# Altium PCB PCB_DACard.PcbDoc (part 2 of 2) (continued)
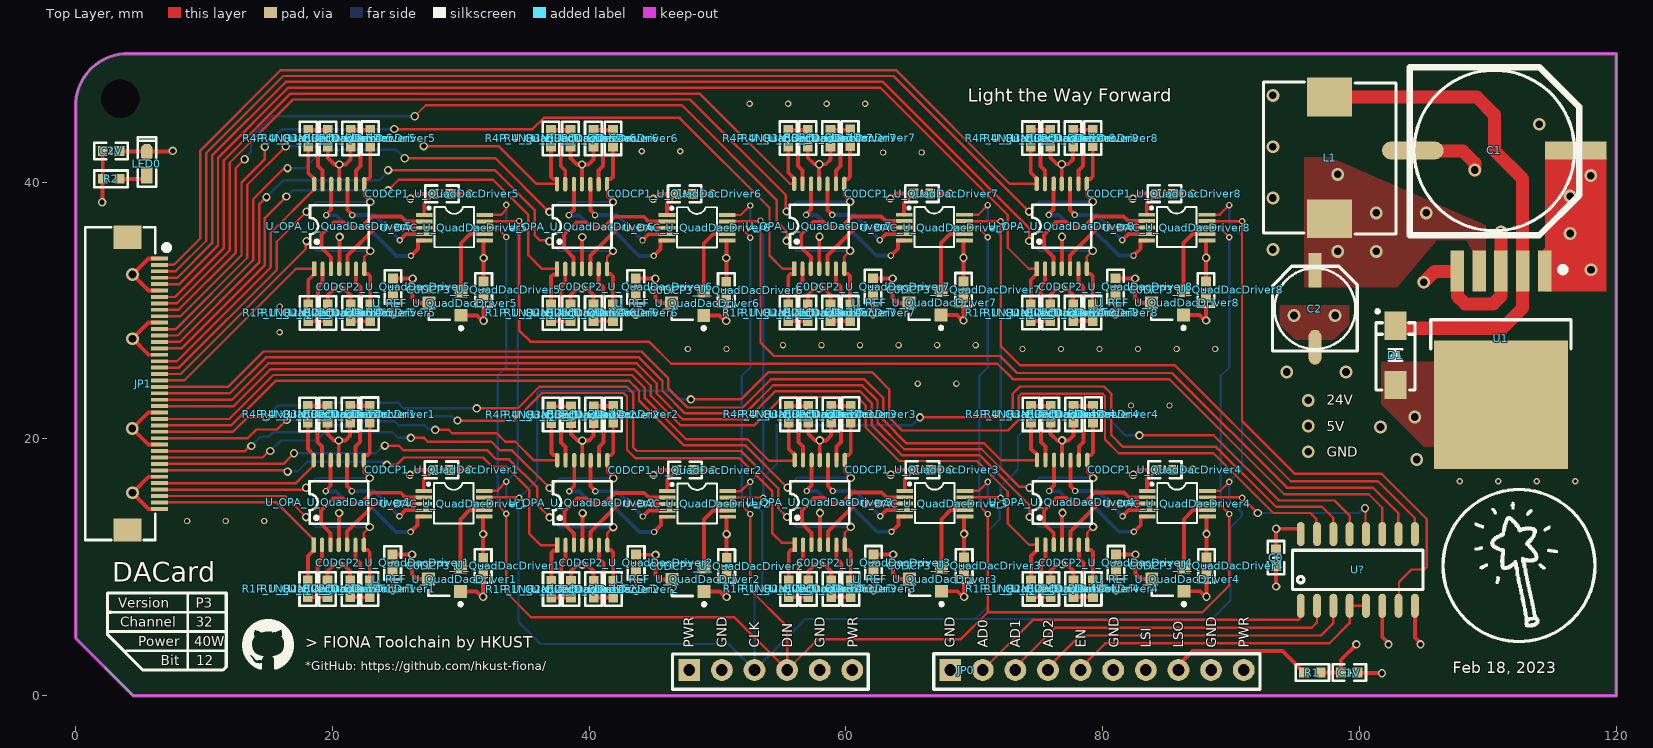
[diagram p0: Top Layer view]
## Nets (pads, with @x,y where several pads share a name; then routed paths per layer and width w, separated by ;. In a path a pad name is that pad's centre, name@x,y a point inside that pad or via, vN(x,y) a via of type N, cw(c..) or ccw(c..) an arc to the next point about the centre after c; other vN are vias at no path point) (continued)
  Top Layer w1.016: C2.2@96.52,26.297 96.528,26.305 C2.2@96.528,27.139 ; v3(105,32.2) 105.843,33.043 ; C1.2@105.498,42.458 105.552,42.404 108.052,42.404 108.974,41.482 v3(108.974,40.934) ; U1.3@107.182,18.822 U1.3@111.006,22.646 ; U1.5@107.606,33.06 U1.5@107.623,33.043 ; v3(111.006,36.108) U1.3@111.006,33.06 111.006,31.115 110.411,30.52 108.218,30.52 107.623,31.115 U1.5@107.623,33.043 ; 105.843,33.043 U1.5@107.623,33.043 ; 105.843,33.043 U1.5@107.623,33.043
  other v2: 8.699,13.603 11.699,13.603 14.699,13.603 107.8,16.7 110.8,16.7 113.8,16.7 116.8,16.7 82.2,22.6 85.2,22.6 65.6,24.3 68.6,24.3 47.7,27 50.7,27 73.75,27 76.75,27 79.75,27 82.75,27 85.75,27 88.75,27 55.1,27.3 58.1,27.3 61.1,27.3 64.1,27.3 67.1,27.3 70.1,27.3 15.9,28.3 15.9,30.3 62.9,42.3 65.9,42.3 44.1,42.4 47.1,42.4 52.5,46.1 55.5,46.1 58.5,46.1 61.5,46.1
  other v3: 104.45,18.4 101.625,20.925 104.3,21.7 94.325,25.2 98.95,25.2 94.9,29.6 98.1,29.6 93.25,34.75 93.25,38.75 93.25,42.75 114,44.5 93.25,46.75
  other v4: 96,19
LED: JP0.14 R1.2 | length 11.3
  Top Layer w0.305: JP0.14@85.9,2 85.9,2.378 86.598,3.076 86.598,3.098 86.975,3.475 94,3.475 R1.2@95.675,1.8
NetD1_2: D1.2 L1.1 U1.2 | length 40
  Top Layer w1.016: L1.1@97.671,46.623 109.127,46.623 110.498,45.252 110.498,42.458 112.706,40.25 U1.2@112.706,33.06 112.706,30.188 111.133,28.615 102.985,28.615 D1.2@102.8,28.8
NetJP0_3: JP0.3 U_DAC_U_QuadDacDriver1.10 U_DAC_U_QuadDacDriver2.10 U_DAC_U_QuadDacDriver3.10 U_DAC_U_QuadDacDriver4.10 U_DAC_U_QuadDacDriver5.10 U_DAC_U_QuadDacDriver6.10 U_DAC_U_QuadDacDriver7.10 U_DAC_U_QuadDacDriver8.10 | length 213.7
  Top Layer w0.186: U_DAC_U_QuadDacDriver1.10@31.827,15.945 32.827,15.945 v2(33.55,16.668) v2@33.55,16.615 ; U_DAC_U_QuadDacDriver5.10@31.864,37.441 33.141,37.441 33.55,37.85 v2(33.55,38.218) ; U_DAC_U_QuadDacDriver6.10@50.764,37.437 51.812,37.437 v2(52.55,38.175) ; U_DAC_U_QuadDacDriver2.10@50.79,15.933 51.833,15.933 v2(52.55,16.65) ; U_DAC_U_QuadDacDriver7.10@69.239,37.458 70.308,37.458 v2(71.05,38.2) ; U_DAC_U_QuadDacDriver3.10@69.282,15.953 70.353,15.953 v2(71.05,16.65) ; U_DAC_U_QuadDacDriver8.10@88.127,37.457 89.107,37.457 v2(89.85,38.2) ; U_DAC_U_QuadDacDriver4.10@88.157,15.953 89.153,15.953 v2(89.85,16.65)
  Bottom Layer w0.186: v2(33.55,38.218) 33.55,36.85 34.45,35.95 34.45,17.568 v2(33.55,16.668) 33.55,15.275 34.5,14.325 34.5,5.75 36.225,4.025 50.855,4.025 JP0.3@52.88,2 ; v2(52.55,38.175) 52.55,36.85 53.55,35.85 53.55,17.65 v2(52.55,16.65) 52.55,15.25 53.5,14.3 53.5,8.649 52.88,8.029 JP0.3@52.88,2 ; 70.15,6.025 71.05,6.925 71.05,12.8 71.975,13.725 71.975,14.35 71.05,15.275 v2(71.05,16.65) 72.05,17.65 72.05,35.85 71.05,36.85 v2(71.05,38.2) ; v2(89.85,38.2) 89.85,36.85 90.85,35.85 90.85,17.65 v2(89.85,16.65) 89.85,15.25 90.825,14.275 90.825,13.975 89.95,13.1 89.95,7.425 88.5,5.975 70.15,5.975 56.855,5.975 JP0.3@52.88,2
NetJP0_4: JP0.4 U_DAC_U_QuadDacDriver1.8 U_DAC_U_QuadDacDriver2.8 U_DAC_U_QuadDacDriver3.8 U_DAC_U_QuadDacDriver4.8 U_DAC_U_QuadDacDriver5.8 U_DAC_U_QuadDacDriver6.8 U_DAC_U_QuadDacDriver7.8 U_DAC_U_QuadDacDriver8.8 | length 198.3
  Top Layer w0.186: U_DAC_U_QuadDacDriver1.8@31.827,14.945 31.829,14.942 32.775,14.942 v2(33.55,14.168) 33.55,8.05 35.502,6.098 51.322,6.098 JP0.4@55.25,2.17 ; U_DAC_U_QuadDacDriver5.8@31.864,36.441 31.866,36.438 32.83,36.438 v2(33.55,35.718) ; U_DAC_U_QuadDacDriver6.8@50.764,36.437 51.813,36.437 52.55,35.7 v2(52.55,35.675) ; U_DAC_U_QuadDacDriver2.8@50.79,14.933 51.767,14.933 v2(52.55,14.15) 52.55,8.25 55.42,5.38 55.42,2.19 55.4,2.17 55.59,2.17 57.803,4.383 68.933,4.383 71.05,6.5 ; JP0.4@55.42,2 JP0.4@55.42,2.17 ; U_DAC_U_QuadDacDriver7.8@69.239,36.458 70.292,36.458 v2(71.05,35.7) ; U_DAC_U_QuadDacDriver3.8@69.282,14.953 70.247,14.953 v2(71.05,14.15) 71.05,6.5 ; U_DAC_U_QuadDacDriver8.8@88.127,36.457 89.093,36.457 v2(89.85,35.7) ; U_DAC_U_QuadDacDriver4.8@88.655,14.95 89.05,14.95 v2(89.85,14.15) 89.85,8.587 87.763,6.5 71.05,6.5
  Bottom Layer w0.186: v2(33.55,14.168) 32.894,14.824 32.894,24.927 33.55,25.584 v2(33.55,35.718) ; v2(52.55,14.15) 51.894,14.806 51.894,24.909 52.55,25.566 v2(52.55,35.675) ; v2(71.05,14.15) 70.394,14.806 70.394,24.909 71.05,25.566 v2(71.05,35.7) ; v2(89.85,14.15) 89.194,14.806 89.194,24.909 89.85,25.566 v2(89.85,35.7)
NetJP0_8: JP0.8 U?.1 | length 27.4
  Top Layer w0.186: JP0.8@70.66,2 74.56,5.9 95.241,5.9 95.362,6.02 95.362,6.942 U?.1@95.42,7
NetJP0_9: JP0.9 U?.2 | length 26.5
  Top Layer w0.186: JP0.9@73.275,2 JP0.9@73.2,2 73.2,2.219 76.275,5.294 96.284,5.294 96.69,5.7 U?.2@96.69,7
NetJP0_10: JP0.10 U?.3 | length 25.2
  Top Layer w0.186: JP0.10@75.74,2 75.74,2.196 78.232,4.688 96.987,4.688 97.96,5.66 U?.3@97.96,7
NetJP0_11: JP0.11 U?.4 U?.5 | length 25.2
  Top Layer w0.186: JP0.11@78.28,2 78.28,2.155 80.206,4.081 97.656,4.081 99.23,5.655 U?.4@99.23,7 U?.5@100.5,7
NetLED0_1: LED0.1 R2.2 | length 2.3
  Top Layer w0.305: R2.2@3.425,40.25 5.282,40.25 LED0.1@5.568,40.536
NetU_DAC_U_QuadDacDriver1_7: U_DAC_U_QuadDacDriver1.7 U_REF_U_QuadDacDriver1.2 | length 5.8
  Top Layer w0.305: U_REF_U_QuadDacDriver1.2@29.993,10.026 29.993,13.735 30.703,14.445 U_DAC_U_QuadDacDriver1.7@31.827,14.445
NetU_DAC_U_QuadDacDriver2_7: U_DAC_U_QuadDacDriver2.7 U_REF_U_QuadDacDriver2.2 | length 5.8
  Top Layer w0.305: U_REF_U_QuadDacDriver2.2@48.956,10.014 48.956,13.723 49.666,14.433 U_DAC_U_QuadDacDriver2.7@50.79,14.433
NetU_DAC_U_QuadDacDriver3_7: U_DAC_U_QuadDacDriver3.7 U_REF_U_QuadDacDriver3.2 | length 5.8
  Top Layer w0.305: U_REF_U_QuadDacDriver3.2@67.448,10.034 67.448,13.743 68.158,14.453 U_DAC_U_QuadDacDriver3.7@69.282,14.453
NetU_DAC_U_QuadDacDriver4_7: U_DAC_U_QuadDacDriver4.7 U_REF_U_QuadDacDriver4.2 | length 5.8
  Top Layer w0.305: U_REF_U_QuadDacDriver4.2@86.323,10.034 86.323,13.743 87.033,14.453 U_DAC_U_QuadDacDriver4.7@88.157,14.453
NetU_DAC_U_QuadDacDriver5_7: U_DAC_U_QuadDacDriver5.7 U_REF_U_QuadDacDriver5.2 | length 5.8
  Top Layer w0.305: U_REF_U_QuadDacDriver5.2@30.03,31.522 30.03,35.231 30.74,35.941 U_DAC_U_QuadDacDriver5.7@31.864,35.941
NetU_DAC_U_QuadDacDriver6_7: U_DAC_U_QuadDacDriver6.7 U_REF_U_QuadDacDriver6.2 | length 5.8
  Top Layer w0.305: U_REF_U_QuadDacDriver6.2@48.93,31.518 48.93,35.227 49.64,35.937 U_DAC_U_QuadDacDriver6.7@50.764,35.937
NetU_DAC_U_QuadDacDriver7_7: U_DAC_U_QuadDacDriver7.7 U_REF_U_QuadDacDriver7.2 | length 5.8
  Top Layer w0.305: U_REF_U_QuadDacDriver7.2@67.405,31.539 67.405,35.248 68.115,35.958 U_DAC_U_QuadDacDriver7.7@69.239,35.958
NetU_DAC_U_QuadDacDriver8_7: U_DAC_U_QuadDacDriver8.7 U_REF_U_QuadDacDriver8.2 | length 5.8
  Top Layer w0.305: U_REF_U_QuadDacDriver8.2@86.293,31.538 86.293,35.247 87.003,35.957 U_DAC_U_QuadDacDriver8.7@88.127,35.957
PreAmpCh1_U_QuadDacDriver1: U_DAC_U_QuadDacDriver1.2 U_OPA_U_QuadDacDriver1.3 | length 12.1
  Top Layer w0.305: U_OPA_U_QuadDacDriver1.3@19.858,11.741 19.858,12.647 19.111,13.394 19.111,14.41 20.076,15.375 20.838,15.375 21.245,14.969 22.21,14.969 23.048,15.807 25.334,15.807 25.696,15.445 U_DAC_U_QuadDacDriver1.2@27.127,15.445
PreAmpCh1_U_QuadDacDriver2: U_DAC_U_QuadDacDriver2.2 U_OPA_U_QuadDacDriver2.3 | length 12.1
  Top Layer w0.305: U_OPA_U_QuadDacDriver2.3@38.821,11.729 38.821,12.635 38.074,13.382 38.074,14.398 39.039,15.363 39.801,15.363 40.208,14.957 41.173,14.957 42.011,15.795 44.297,15.795 44.659,15.433 U_DAC_U_QuadDacDriver2.2@46.09,15.433
PreAmpCh1_U_QuadDacDriver3: U_DAC_U_QuadDacDriver3.2 U_OPA_U_QuadDacDriver3.3 | length 12.1
  Top Layer w0.305: U_OPA_U_QuadDacDriver3.3@57.313,11.749 57.313,12.655 56.566,13.402 56.566,14.418 57.531,15.383 58.293,15.383 58.7,14.977 59.665,14.977 60.503,15.815 62.789,15.815 63.151,15.453 U_DAC_U_QuadDacDriver3.2@64.582,15.453
PreAmpCh1_U_QuadDacDriver4: U_DAC_U_QuadDacDriver4.2 U_OPA_U_QuadDacDriver4.3 | length 12.1
  Top Layer w0.305: U_OPA_U_QuadDacDriver4.3@76.188,11.749 76.188,12.655 75.441,13.402 75.441,14.418 76.406,15.383 77.168,15.383 77.575,14.977 78.54,14.977 79.378,15.815 81.664,15.815 82.026,15.453 U_DAC_U_QuadDacDriver4.2@83.457,15.453
PreAmpCh1_U_QuadDacDriver5: U_DAC_U_QuadDacDriver5.2 U_OPA_U_QuadDacDriver5.3 | length 12.1
  Top Layer w0.305: U_OPA_U_QuadDacDriver5.3@19.895,33.237 19.895,34.143 19.148,34.89 19.148,35.906 20.113,36.871 20.875,36.871 21.282,36.465 22.247,36.465 23.085,37.303 25.371,37.303 25.733,36.941 U_DAC_U_QuadDacDriver5.2@27.164,36.941
PreAmpCh1_U_QuadDacDriver6: U_DAC_U_QuadDacDriver6.2 U_OPA_U_QuadDacDriver6.3 | length 12.1
  Top Layer w0.305: U_OPA_U_QuadDacDriver6.3@38.795,33.233 38.795,34.139 38.048,34.886 38.048,35.902 39.013,36.867 39.775,36.867 40.182,36.461 41.147,36.461 41.985,37.299 44.271,37.299 44.633,36.937 U_DAC_U_QuadDacDriver6.2@46.064,36.937
PreAmpCh1_U_QuadDacDriver7: U_DAC_U_QuadDacDriver7.2 U_OPA_U_QuadDacDriver7.3 | length 12.1
  Top Layer w0.305: U_OPA_U_QuadDacDriver7.3@57.27,33.254 57.27,34.16 56.523,34.907 56.523,35.923 57.488,36.888 58.25,36.888 58.657,36.482 59.622,36.482 60.46,37.32 62.746,37.32 63.108,36.958 U_DAC_U_QuadDacDriver7.2@64.539,36.958
PreAmpCh1_U_QuadDacDriver8: U_DAC_U_QuadDacDriver8.2 U_OPA_U_QuadDacDriver8.3 | length 12.1
  Top Layer w0.305: U_OPA_U_QuadDacDriver8.3@76.158,33.253 76.158,34.159 75.411,34.906 75.411,35.922 76.376,36.887 77.138,36.887 77.545,36.481 78.51,36.481 79.348,37.319 81.634,37.319 81.996,36.957 U_DAC_U_QuadDacDriver8.2@83.427,36.957
PreAmpCh2_U_QuadDacDriver1: U_DAC_U_QuadDacDriver1.3 U_OPA_U_QuadDacDriver1.5 | length 7.9
  Top Layer w0.305: U_OPA_U_QuadDacDriver1.5@21.158,11.741 21.158,12.774 23.329,14.945 U_DAC_U_QuadDacDriver1.3@27.127,14.945
PreAmpCh2_U_QuadDacDriver2: U_DAC_U_QuadDacDriver2.3 U_OPA_U_QuadDacDriver2.5 | length 7.9
  Top Layer w0.305: U_OPA_U_QuadDacDriver2.5@40.121,11.729 40.121,12.762 42.292,14.933 U_DAC_U_QuadDacDriver2.3@46.09,14.933
PreAmpCh2_U_QuadDacDriver3: U_DAC_U_QuadDacDriver3.3 U_OPA_U_QuadDacDriver3.5 | length 7.9
  Top Layer w0.305: U_OPA_U_QuadDacDriver3.5@58.613,11.749 58.613,12.782 60.784,14.953 U_DAC_U_QuadDacDriver3.3@64.582,14.953
PreAmpCh2_U_QuadDacDriver4: U_DAC_U_QuadDacDriver4.3 U_OPA_U_QuadDacDriver4.5 | length 7.9
  Top Layer w0.305: U_OPA_U_QuadDacDriver4.5@77.488,11.749 77.488,12.782 79.659,14.953 U_DAC_U_QuadDacDriver4.3@83.457,14.953
PreAmpCh2_U_QuadDacDriver5: U_DAC_U_QuadDacDriver5.3 U_OPA_U_QuadDacDriver5.5 | length 7.9
  Top Layer w0.305: U_OPA_U_QuadDacDriver5.5@21.195,33.237 21.195,34.27 23.366,36.441 U_DAC_U_QuadDacDriver5.3@27.164,36.441
PreAmpCh2_U_QuadDacDriver6: U_DAC_U_QuadDacDriver6.3 U_OPA_U_QuadDacDriver6.5 | length 7.9
  Top Layer w0.305: U_OPA_U_QuadDacDriver6.5@40.095,33.233 40.095,34.266 42.266,36.437 U_DAC_U_QuadDacDriver6.3@46.064,36.437
PreAmpCh2_U_QuadDacDriver7: U_DAC_U_QuadDacDriver7.3 U_OPA_U_QuadDacDriver7.5 | length 7.9
  Top Layer w0.305: U_OPA_U_QuadDacDriver7.5@58.57,33.254 58.57,34.287 60.741,36.458 U_DAC_U_QuadDacDriver7.3@64.539,36.458
PreAmpCh2_U_QuadDacDriver8: U_DAC_U_QuadDacDriver8.3 U_OPA_U_QuadDacDriver8.5 | length 7.9
  Top Layer w0.305: U_OPA_U_QuadDacDriver8.5@77.458,33.253 77.458,34.286 79.629,36.457 U_DAC_U_QuadDacDriver8.3@83.427,36.457
PreAmpCh3_U_QuadDacDriver1: U_DAC_U_QuadDacDriver1.4 U_OPA_U_QuadDacDriver1.10 | length 9.2
  Top Layer w0.305: U_OPA_U_QuadDacDriver1.10@21.158,18.341 21.158,16.326 21.524,15.96 v2(21.524,15.934) ; v2(25.223,13.969) 25.698,14.445 U_DAC_U_QuadDacDriver1.4@27.127,14.445
  Bottom Layer w0.305: v2(21.524,15.934) 23.258,15.934 v2(25.223,13.969)
PreAmpCh3_U_QuadDacDriver2: U_DAC_U_QuadDacDriver2.4 U_OPA_U_QuadDacDriver2.10 | length 9.2
  Top Layer w0.305: U_OPA_U_QuadDacDriver2.10@40.121,18.329 40.121,16.314 40.487,15.948 v2(40.487,15.922) ; v2(44.186,13.957) 44.661,14.433 U_DAC_U_QuadDacDriver2.4@46.09,14.433
  Bottom Layer w0.305: v2(40.487,15.922) 42.221,15.922 v2(44.186,13.957)
PreAmpCh3_U_QuadDacDriver3: U_DAC_U_QuadDacDriver3.4 U_OPA_U_QuadDacDriver3.10 | length 9.2
  Top Layer w0.305: U_OPA_U_QuadDacDriver3.10@58.613,18.349 58.613,16.334 58.979,15.968 v2(58.979,15.942) ; v2(62.678,13.977) 63.153,14.453 U_DAC_U_QuadDacDriver3.4@64.582,14.453
  Bottom Layer w0.305: v2(58.979,15.942) 60.713,15.942 v2(62.678,13.977)
PreAmpCh3_U_QuadDacDriver4: U_DAC_U_QuadDacDriver4.4 U_OPA_U_QuadDacDriver4.10 | length 9.2
  Top Layer w0.305: U_OPA_U_QuadDacDriver4.10@77.488,18.349 77.488,16.334 77.854,15.968 v2(77.854,15.942) ; v2(81.553,13.977) 82.028,14.453 U_DAC_U_QuadDacDriver4.4@83.457,14.453
  Bottom Layer w0.305: v2(77.854,15.942) 79.588,15.942 v2(81.553,13.977)
PreAmpCh3_U_QuadDacDriver5: U_DAC_U_QuadDacDriver5.4 U_OPA_U_QuadDacDriver5.10 | length 9.2
  Top Layer w0.305: U_OPA_U_QuadDacDriver5.10@21.195,39.837 21.195,37.822 21.561,37.456 v2(21.561,37.43) ; v2(25.26,35.465) 25.735,35.941 U_DAC_U_QuadDacDriver5.4@27.164,35.941
  Bottom Layer w0.305: v2(21.561,37.43) 23.295,37.43 v2(25.26,35.465)
PreAmpCh3_U_QuadDacDriver6: U_DAC_U_QuadDacDriver6.4 U_OPA_U_QuadDacDriver6.10 | length 9.2
  Top Layer w0.305: U_OPA_U_QuadDacDriver6.10@40.095,39.833 40.095,37.818 40.461,37.452 v2(40.461,37.426) ; v2(44.16,35.461) 44.635,35.937 U_DAC_U_QuadDacDriver6.4@46.064,35.937
  Bottom Layer w0.305: v2(40.461,37.426) 42.195,37.426 v2(44.16,35.461)
PreAmpCh3_U_QuadDacDriver7: U_DAC_U_QuadDacDriver7.4 U_OPA_U_QuadDacDriver7.10 | length 9.2
  Top Layer w0.305: U_OPA_U_QuadDacDriver7.10@58.57,39.854 58.57,37.839 58.936,37.473 v2(58.936,37.447) ; v2(62.635,35.482) 63.11,35.958 U_DAC_U_QuadDacDriver7.4@64.539,35.958
  Bottom Layer w0.305: v2(58.936,37.447) 60.67,37.447 v2(62.635,35.482)
PreAmpCh3_U_QuadDacDriver8: U_DAC_U_QuadDacDriver8.4 U_OPA_U_QuadDacDriver8.10 | length 9.2
  Top Layer w0.305: U_OPA_U_QuadDacDriver8.10@77.458,39.853 77.458,37.838 77.824,37.472 v2(77.824,37.446) ; v2(81.523,35.481) 81.998,35.957 U_DAC_U_QuadDacDriver8.4@83.427,35.957
  Bottom Layer w0.305: v2(77.824,37.446) 79.558,37.446 v2(81.523,35.481)
PreAmpCh4_U_QuadDacDriver1: U_DAC_U_QuadDacDriver1.5 U_OPA_U_QuadDacDriver1.12 | length 12.4
  Top Layer w0.305: v2(19.492,15.934) 19.492,15.96 19.879,16.347 U_OPA_U_QuadDacDriver1.12@19.879,18.349 ; v2(26.096,12.759) 26.629,13.292 26.629,13.942 26.632,13.945 U_DAC_U_QuadDacDriver1.5@27.127,13.945
  Bottom Layer w0.305: v2(19.492,15.934) 19.51,15.916 20.298,15.916 21.295,14.918 22.794,14.918 24.953,12.759 v2(26.096,12.759)
PreAmpCh4_U_QuadDacDriver2: U_DAC_U_QuadDacDriver2.5 U_OPA_U_QuadDacDriver2.12 | length 12.4
  Top Layer w0.305: v2(38.455,15.922) 38.455,15.948 38.842,16.335 U_OPA_U_QuadDacDriver2.12@38.842,18.337 ; v2(45.059,12.747) 45.592,13.28 45.592,13.93 45.595,13.933 U_DAC_U_QuadDacDriver2.5@46.09,13.933
  Bottom Layer w0.305: v2(38.455,15.922) 38.473,15.904 39.261,15.904 40.258,14.906 41.757,14.906 43.916,12.747 v2(45.059,12.747)
PreAmpCh4_U_QuadDacDriver3: U_DAC_U_QuadDacDriver3.5 U_OPA_U_QuadDacDriver3.12 | length 12.4
  Top Layer w0.305: v2(56.947,15.942) 56.947,15.968 57.334,16.355 U_OPA_U_QuadDacDriver3.12@57.334,18.357 ; v2(63.551,12.767) 64.084,13.3 64.084,13.95 64.087,13.953 U_DAC_U_QuadDacDriver3.5@64.582,13.953
  Bottom Layer w0.305: v2(56.947,15.942) 56.965,15.924 57.753,15.924 58.75,14.926 60.249,14.926 62.408,12.767 v2(63.551,12.767)
PreAmpCh4_U_QuadDacDriver4: U_DAC_U_QuadDacDriver4.5 U_OPA_U_QuadDacDriver4.12 | length 12.4
  Top Layer w0.305: v2(75.822,15.942) 75.822,15.968 76.209,16.355 U_OPA_U_QuadDacDriver4.12@76.209,18.357 ; v2(82.426,12.767) 82.959,13.3 82.959,13.95 82.962,13.953 U_DAC_U_QuadDacDriver4.5@83.457,13.953
  Bottom Layer w0.305: v2(75.822,15.942) 75.84,15.924 76.628,15.924 77.625,14.926 79.124,14.926 81.283,12.767 v2(82.426,12.767)
PreAmpCh4_U_QuadDacDriver5: U_DAC_U_QuadDacDriver5.5 U_OPA_U_QuadDacDriver5.12 | length 12.4
  Top Layer w0.305: v2(19.529,37.43) 19.529,37.456 19.916,37.843 U_OPA_U_QuadDacDriver5.12@19.916,39.845 ; v2(26.133,34.255) 26.666,34.788 26.666,35.438 26.669,35.441 U_DAC_U_QuadDacDriver5.5@27.164,35.441
  Bottom Layer w0.305: v2(19.529,37.43) 19.547,37.412 20.335,37.412 21.332,36.414 22.831,36.414 24.99,34.255 v2(26.133,34.255)
PreAmpCh4_U_QuadDacDriver6: U_DAC_U_QuadDacDriver6.5 U_OPA_U_QuadDacDriver6.12 | length 12.4
  Top Layer w0.305: v2(38.429,37.426) 38.429,37.452 38.816,37.839 U_OPA_U_QuadDacDriver6.12@38.816,39.841 ; v2(45.033,34.251) 45.566,34.784 45.566,35.434 45.569,35.437 U_DAC_U_QuadDacDriver6.5@46.064,35.437
  Bottom Layer w0.305: v2(38.429,37.426) 38.447,37.408 39.235,37.408 40.232,36.41 41.731,36.41 43.89,34.251 v2(45.033,34.251)
PreAmpCh4_U_QuadDacDriver7: U_DAC_U_QuadDacDriver7.5 U_OPA_U_QuadDacDriver7.12 | length 12.4
  Top Layer w0.305: v2(56.904,37.447) 56.904,37.473 57.291,37.86 U_OPA_U_QuadDacDriver7.12@57.291,39.862 ; v2(63.508,34.272) 64.041,34.805 64.041,35.455 64.044,35.458 U_DAC_U_QuadDacDriver7.5@64.539,35.458
  Bottom Layer w0.305: v2(56.904,37.447) 56.922,37.429 57.71,37.429 58.707,36.431 60.206,36.431 62.365,34.272 v2(63.508,34.272)
PreAmpCh4_U_QuadDacDriver8: U_DAC_U_QuadDacDriver8.5 U_OPA_U_QuadDacDriver8.12 | length 12.4
  Top Layer w0.305: v2(75.792,37.446) 75.792,37.472 76.179,37.858 U_OPA_U_QuadDacDriver8.12@76.179,39.861 ; v2(82.396,34.271) 82.929,34.804 82.929,35.454 82.932,35.457 U_DAC_U_QuadDacDriver8.5@83.427,35.457
  Bottom Layer w0.305: v2(75.792,37.446) 75.81,37.428 76.598,37.428 77.595,36.43 79.094,36.43 81.253,34.271 v2(82.396,34.271)
SYNC1: U?.15 U_DAC_U_QuadDacDriver1.9 | length 86
  Top Layer w0.186: U_DAC_U_QuadDacDriver1.9@31.827,15.445 31.829,15.443 34.525,15.443 v2(34.55,15.418) ; v1(47.925,23.075) 51.838,23.075 53.96,25.197 62.033,25.197 63.373,23.857 63.373,21.652 64.375,20.65 72.621,20.65 73.475,21.504 73.475,23.321 73.654,23.5 79.996,23.5 80.175,23.321 80.175,19.95 81.25,18.875 88.625,18.875 93.275,14.225 96.175,14.225 96.632,13.768 96.632,12.646 U?.15@96.69,12.588
  Bottom Layer w0.186: v2(34.55,15.418) 35.95,16.818 35.95,23.571 36.129,23.75 46.3,23.75 46.975,23.075 v1(47.925,23.075)
SYNC2: U?.14 U_DAC_U_QuadDacDriver2.9 | length 61.5
  Top Layer w0.186: U_DAC_U_QuadDacDriver2.9@50.79,15.433 50.792,15.431 53.519,15.431 v2(53.55,15.4) ; v1(65.775,21.675) 72.3,21.675 72.992,22.367 72.992,23.521 73.546,24.075 80.104,24.075 80.658,23.521 80.658,20.292 81.575,19.375 88.833,19.375 93.5,14.708 97.067,14.708 97.96,13.815 U?.14@97.96,12.588
  Bottom Layer w0.186: v2(53.55,15.4) 53.55,16.968 54.625,18.043 54.625,21.075 65.175,21.075 v1(65.775,21.675)
SYNC3: U?.13 U_DAC_U_QuadDacDriver3.9 | length 39.3
  Top Layer w0.186: U_DAC_U_QuadDacDriver3.9@69.282,15.453 71.944,15.453 71.997,15.4 v2(72.05,15.4) ; v1(82.85,20.275) 88.65,20.275 93.725,15.2 98.05,15.2 99.23,14.02 U?.13@99.23,12.588
  Bottom Layer w0.186: v2(72.05,15.4) 72.05,16.275 73.4,17.625 73.4,20.2 75.025,21.825 80.225,21.825 81.775,20.275 v1(82.85,20.275)
SYNC4: U?.12 U_DAC_U_QuadDacDriver4.9 | length 15
  Top Layer w0.186: U_DAC_U_QuadDacDriver4.9@88.157,15.453 90.744,15.453 90.797,15.4 v2(90.85,15.4) 90.875,15.4 92.05,14.225 v1(92.075,14.225) ; v1(100.425,14.6) 100.463,14.562 100.463,12.625 U?.12@100.5,12.588
  Bottom Layer w0.186: v1(92.075,14.225) 99.957,14.225 100.332,14.6 v1(100.425,14.6)
SYNC5: U?.11 U_DAC_U_QuadDacDriver5.9 | length 86.2
  Top Layer w0.186: U_DAC_U_QuadDacDriver5.9@31.864,36.941 31.866,36.943 34.525,36.943 v2(34.55,36.968) 34.55,28.45 35.425,27.575 44.675,27.575 46.401,25.849 71.801,25.849 73,24.65 85.175,24.65 94.142,15.683 100.717,15.683 101.77,14.63 U?.11@101.77,12.588
SYNC6: U?.10 U_DAC_U_QuadDacDriver6.9 | length 68.9
  Top Layer w0.186: U_DAC_U_QuadDacDriver6.9@50.764,36.937 53.234,36.937 53.297,37 v2(53.35,37) 53.35,27.5 54.4,26.45 72.008,26.45 73.325,25.133 85.408,25.133 94.34,16.2 101.032,16.2 103.025,14.207 103.025,12.603 U?.10@103.04,12.588
SYNC7: U?.9 U_DAC_U_QuadDacDriver7.9 | length 51.6
  Top Layer w0.186: U_DAC_U_QuadDacDriver7.9@69.239,36.958 69.241,36.956 72.044,36.956 v2(72.05,36.95) 72.05,27.25 73.575,25.725 85.623,25.725 94.648,16.7 101.425,16.7 104.31,13.815 U?.9@104.31,12.588
SYNC8: U?.7 U_DAC_U_QuadDacDriver8.9 | length 44.1
  Top Layer w0.186: U_DAC_U_QuadDacDriver8.9@88.127,36.957 88.129,36.954 90.846,36.954 v2(90.85,36.95) 90.85,21.4 94.975,17.275 101.725,17.275 105.225,13.775 105.225,10.004 105.046,9.825 104.05,9.825 103.075,8.85 103.075,7.035 U?.7@103.04,7
pads on no net: JP0.13 JP1.0

## Polygon pours and split planes (outlines as drawn)
GND on Top Layer "GND_L01_P005" (solid, pour order 5): 101.7,26 101.7,22.7 105,19.4 108.9,19.4 108.9,26
GND on Top Layer "GND_L01_P004" (solid, pour order 4): 93.8,30.4 99.2,30.4 99.2,28.9 98,27.7 95,27.7 93.8,28.9
5V on Top Layer "5V_L01_P000" (solid, pour order 0): 109.825,32.792 109.825,36.633 97.702,41.95 95.7,41.95 95.7,31.8 102.948,31.8 106,35.473 108.328,35.473
5V on Int3 (5V) (split plane): 4.075,49.49 119.49,49.49 119.49,0.51 4.711,0.51 0.525,4.696 0.525,45.94 0.524,45.957 0.532,46.194 0.559,46.446 0.604,46.695 0.667,46.941 0.747,47.181 0.844,47.416 0.958,47.642 1.087,47.86 1.232,48.069 1.391,48.266 1.563,48.452 1.749,48.624 1.946,48.783 2.155,48.928 2.373,49.057 2.599,49.171 2.834,49.268 3.074,49.348 3.32,49.411 3.569,49.456 3.821,49.483 4.058,49.491
GND on Int1 (GND) (split plane): 4.075,49.49 119.49,49.49 119.49,0.51 4.711,0.51 0.525,4.696 0.525,45.94 0.524,45.957 0.532,46.194 0.559,46.446 0.604,46.695 0.667,46.941 0.747,47.181 0.844,47.416 0.958,47.642 1.087,47.86 1.232,48.069 1.391,48.266 1.563,48.452 1.749,48.624 1.946,48.783 2.155,48.928 2.373,49.057 2.599,49.171 2.834,49.268 3.074,49.348 3.32,49.411 3.569,49.456 3.821,49.483 4.058,49.491
24V on Int2 (24V) (split plane): 4.075,49.49 119.49,49.49 119.49,0.51 4.711,0.51 0.525,4.696 0.525,45.94 0.524,45.957 0.532,46.194 0.559,46.446 0.604,46.695 0.667,46.941 0.747,47.181 0.844,47.416 0.958,47.642 1.087,47.86 1.232,48.069 1.391,48.266 1.563,48.452 1.749,48.624 1.946,48.783 2.155,48.928 2.373,49.057 2.599,49.171 2.834,49.268 3.074,49.348 3.32,49.411 3.569,49.456 3.821,49.483 4.058,49.491
GND on Int4 (GND) (split plane): 4.075,49.49 119.49,49.49 119.49,0.51 4.711,0.51 0.525,4.696 0.525,45.94 0.524,45.957 0.532,46.194 0.559,46.446 0.604,46.695 0.667,46.941 0.747,47.181 0.844,47.416 0.958,47.642 1.087,47.86 1.232,48.069 1.391,48.266 1.563,48.452 1.749,48.624 1.946,48.783 2.155,48.928 2.373,49.057 2.599,49.171 2.834,49.268 3.074,49.348 3.32,49.411 3.569,49.456 3.821,49.483 4.058,49.491

## Keep-outs
Keep-Out Layer:
  the board outline again, w0.254

## Other copper
Top Layer:
  rectangle net 24V: 114.45,31.475 119.25,42

## Silkscreen, mask and mechanical layers (free items; w line width, h text height)
Top Overlay:
  drawing of 32 lines, arcs and shapes, not listed
  text "Light the Way Forward" at 69.5,46.25 h1.02
  text "24V" at 97.444,22.652 h0.76
  text "5V" at 97.444,20.612 h0.76
  text "GND" at 97.444,18.612 h0.76
  text "DACard" at 2.881,8.881 h1.52
  text "Version" at 3.352,6.852 h0.76
  text "P3" at 9.356,6.852 h0.76
  text "Channel" at 3.479,5.352 h0.76
  text "32" at 9.356,5.352 h0.76
  text "Power" at 4.875,3.852 h0.76
  text "40W" at 9.234,3.852 h0.76
  text "> FIONA Toolchain by HKUST" at 17.888,3.75 h0.89
  text "PWR" at 48.168,3.727 h0.76 r90
  text "GND" at 50.718,3.727 h0.76 r90
  text "CLK" at 53.268,3.727 h0.76 r90
  text "DIN" at 55.818,3.727 h0.76 r90
  text "GND" at 58.368,3.727 h0.76 r90
  text "PWR" at 60.918,3.727 h0.76 r90
  text "GND" at 68.488,3.727 h0.76 r90
  text "AD0" at 71.038,3.727 h0.76 r90
  text "AD1" at 73.588,3.727 h0.76 r90
  text "AD2" at 76.138,3.727 h0.76 r90
  text "EN" at 78.688,3.727 h0.76 r90
  text "GND" at 81.238,3.727 h0.76 r90
  text "LSI" at 83.728,3.727 h0.76 r90
  text "LSO" at 86.278,3.727 h0.76 r90
  text "GND" at 88.828,3.727 h0.76 r90
  text "PWR" at 91.378,3.727 h0.76 r90
  text "Bit" at 6.653,2.352 h0.76
  text "12" at 9.419,2.352 h0.76
  text "*GitHub: https://github.com/hkust-fiona/" at 17.888,1.995 h0.69
  text "Feb 18, 2023" at 107.25,1.75 h0.89
Drill Drawing:
  text ".legend" at 4.004,62.762 h1.52